# Altium PCB SystemV1.PcbDoc (part 3 of 3)
Units mm, origin at the board's own origin, x right, y up, seen from the top; angles counter-clockwise.
Board outline 236.09 x 95.76 mm, 4 copper layers (Top Layer, GND, VCC, Bottom Layer), stack 1.586 mm thick; 222 components, 155 nets, 787 pads, 614 vias.
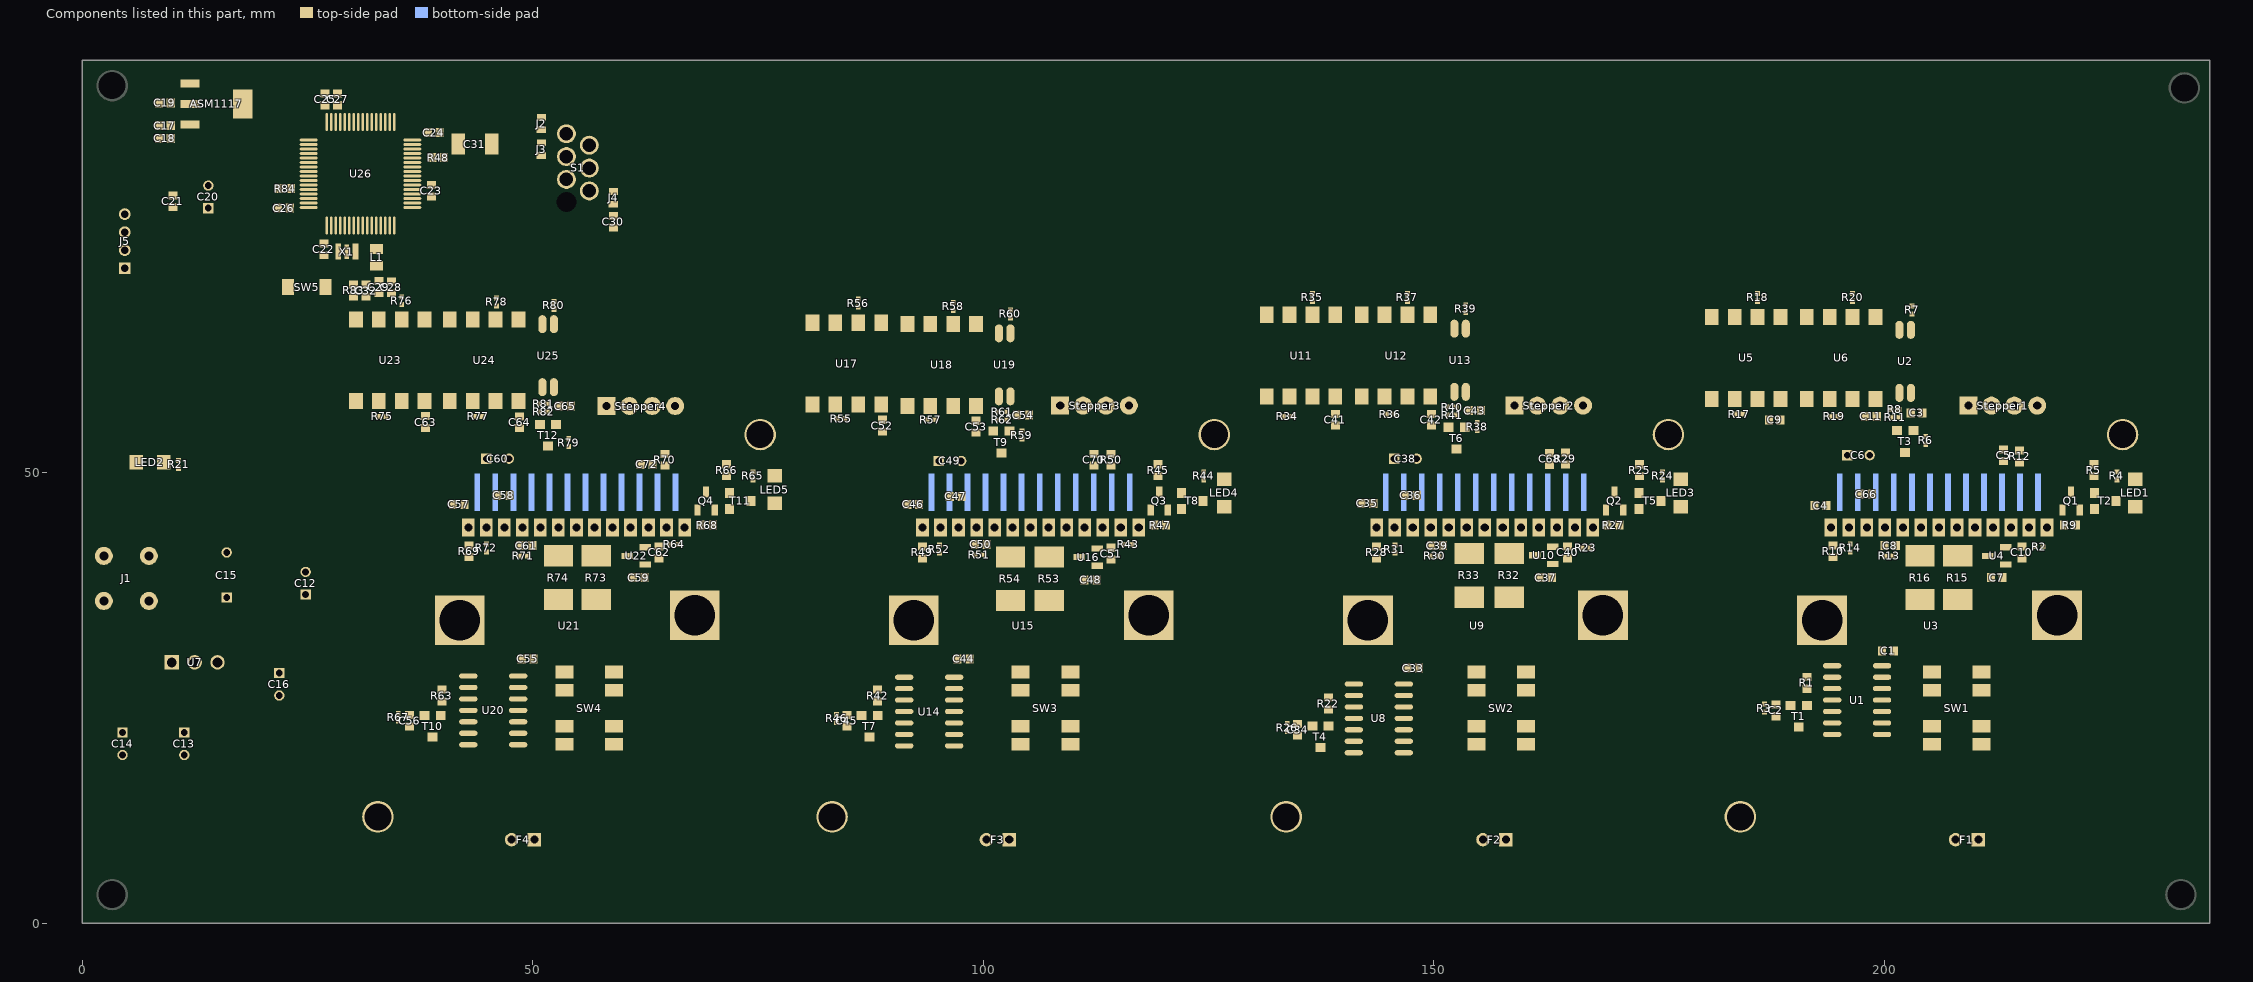
[diagram p5: the components of this part, seen from the top]

## Other copper (continued)
VCC (plane layer: these items are gaps in the copper):
  circle w1: c14.986,28.956 r0.381
  circle w1: c9.906,28.956 r0.381
  circle w1: c10.033,76.959 r0.381
  circle w1: c213.059,47.842 r0.381
  circle w1: c162.649,47.842 r0.381
  circle w1: c112.144,47.752 r0.381
  circle w1: c61.722,47.879 r0.381
  lines w0.6: 0,75.819 0.381,75.438 15.875,75.438 15.875,80.772 10.795,80.772 10.795,84.836 14.097,84.836 14.097,89.789 6.985,89.789 6.985,78.994 6.985,77.978 0.254,77.978 ; 25.496,62.942 25.496,55.784 28.067,53.213 28.067,32.004 13.589,32.004 13.589,26.162 32.512,26.162 32.512,54.61 48.768,54.61 49.657,54.61 49.911,54.356 49.911,53.594 49.911,45.085 57.912,45.085 57.912,42.418 59.817,42.418 59.817,40.259 59.817,38.862 51.054,38.862 51.054,40.64 41.91,40.64 41.91,37.719 59.944,37.719 59.944,31.496 ; 59.817,31.369 45.212,31.369 45.212,28.956 37.719,28.956 37.719,18.161 62.611,18.161 64.77,20.32 64.77,36.449 64.77,40.64 72.517,40.64 72.517,45.085 72.517,46.355 51.054,46.355 51.054,54.737 55.245,54.737 55.245,59.817 67.818,59.817 67.818,53.594 63.5,53.594 63.5,51.308 69.85,51.308 69.85,59.817 78.359,59.817 78.359,54.483 100.457,54.483 100.457,45.212 107.696,45.212 108.322,44.586 108.322,42.418 110.227,42.418 110.227,38.998 101.228,38.998 101.228,41.901 91.703,41.901 91.703,37.982 110.231,37.982 110.231,36.716 110.227,36.712 ; 110.227,36.449 110.227,31.369 95.622,31.369 95.622,28.956 85.09,28.956 85.09,18.161 113.021,18.161 115.18,20.32 115.18,36.449 115.18,40.64 122.927,40.64 122.927,45.212 122.927,46.219 102.498,46.219 102.362,46.355 102.362,53.34 102.616,53.594 105.283,53.594 105.664,53.975 105.664,59.309 117.475,59.309 117.475,53.086 113.157,53.086 113.157,50.8 119.507,50.8 119.507,59.309 128.016,59.309 129.667,59.309 130.048,58.928 130.048,55.118 149.225,55.118 149.606,54.737 149.606,45.72 150.241,45.085 158.732,45.085 158.732,42.418 160.637,42.418 160.637,39.261 151.91,39.261 151.91,42.4 142.258,42.4 142.258,38.118 160.637,38.118 160.637,36.304 ; 110.229,35.059 110.229,36.714 ; 160.637,36.449 160.637,31.369 146.032,31.369 146.032,28.956 135.763,28.956 135.763,18.161 163.431,18.161 165.59,20.32 165.59,36.449 165.59,40.64 173.337,40.64 173.337,45.085 173.337,45.103 171.577,46.863 152.146,46.863 151.384,47.625 151.384,52.959 152.781,54.356 156.464,54.356 156.464,59.182 167.767,59.182 167.767,52.959 163.449,52.959 163.449,50.673 169.799,50.673 169.799,59.182 178.308,59.182 ; 178.054,59.182 178.689,59.182 178.689,58.547 178.689,55.245 199.771,55.245 200.533,54.483 200.533,45.212 200.66,45.085 209.142,45.085 209.142,42.418 211.047,42.418 211.047,39.089 201.957,39.089 201.957,41.756 193.267,41.756 193.267,37.846 211.047,37.846 211.047,36.449 211.047,31.369 196.442,31.369 196.442,28.956 189.357,28.956 189.357,18.161 213.841,18.161 216,20.32 216,36.449 216,40.64 223.747,40.64 223.747,45.085 223.747,45.239 222.25,46.736 203.327,46.736 202.946,47.117 202.946,51.562 204.47,53.086 205.486,53.086 206.121,53.721 206.121,58.42 207.137,59.436 209.296,59.436 217.805,59.436 218.694,59.436 218.694,54.864 218.694,53.975 214.122,53.975 214.122,51.562 220.345,51.562 220.345,63.119
  lines w2: 0.762,63.5 24.892,63.5 ; 205.994,63.373 235.458,63.373
  text "NEGATIVE \"PLANE LAYER\"" at 239.522,47.91 h15

## Silkscreen, mask and mechanical layers (free items; w line width, h text height)
Top Overlay:
  drawing of 17 lines, arcs and shapes, not listed
  text "G" at 5.207,81.28 h2 r90
  text "M5STACK     /  UART" at 10.16,70.866 h2 r90
  text "Stepper 4" at 209.804,53.467 h2
  text "Stepper 1" at 58.55,53.34 h2
  text "Stepper 2" at 109.096,53.269 h2
  text "Stepper 3" at 159.896,53.213 h2
  text "Power" at 5.234,52.757 h2
  text "Falut" at 75.819,50.927 h2
  text "Falut" at 176.276,50.673 h2
  text "Falut" at 226.568,50.673 h2
  text "Falut" at 125.73,50.546 h2
  text "G" at 3.302,44.831 h2 r90
  text "+24V" at 3.429,28.321 h2 r90
  text "Optimized Torque Mode" at 60.582,27.525 h1.5
  text "Optimized Torque Mode" at 111.211,27.525 h1.5
  text "Optimized Torque Mode" at 161.801,27.525 h1.5
  text "Optimized Torque Mode" at 212.347,27.525 h1.5
  text "Max Torque Mode" at 60.582,23.08 h1.5
  text "Max Torque Mode" at 111.211,23.08 h1.5
  text "Max Torque Mode" at 161.801,23.08 h1.5
  text "Max Torque Mode" at 212.347,23.08 h1.5
  text "Min Torque Mode" at 60.582,19.304 h1.5
  text "Min Torque Mode" at 111.211,19.304 h1.5
  text "Min Torque Mode" at 161.801,19.304 h1.5
  text "Min Torque Mode" at 212.347,19.304 h1.5
  text "G" at 44.343,8.542 h2
  text "+24V" at 51.91,8.455 h2
  text "+24V" at 212.438,8.455 h2
  text "G" at 96.921,8.415 h2
  text "G" at 152.166,8.415 h2
  text "G" at 204.744,8.415 h2
  text "+24V" at 159.987,8.328 h2
  text "+24V" at 104.996,8.201 h2
  text "Fan 4" at 207.264,4.972 h2
  text "Fan 1" at 46.736,4.953 h2
  text "Fan 2" at 99.568,4.953 h2
  text "Fan 3" at 154.813,4.953 h2

## Text inside footprints (layer, text, board x,y; h text height)
S1: Top Overlay "1" at 53.392,89.254 h0.6 r90